# Altium PCB MDQARM - копия.PcbDoc (part 2 of 2)
Units mm, origin at the board's own origin, x right, y up, seen from the top; angles counter-clockwise.
Board outline 98 x 86.31 mm, 2 copper layers (Top Layer, Bottom Layer), stack 1.536 mm thick; 171 components, 109 nets, 544 pads, 183 vias.
Unrouted connection lines stored in the file: 113.
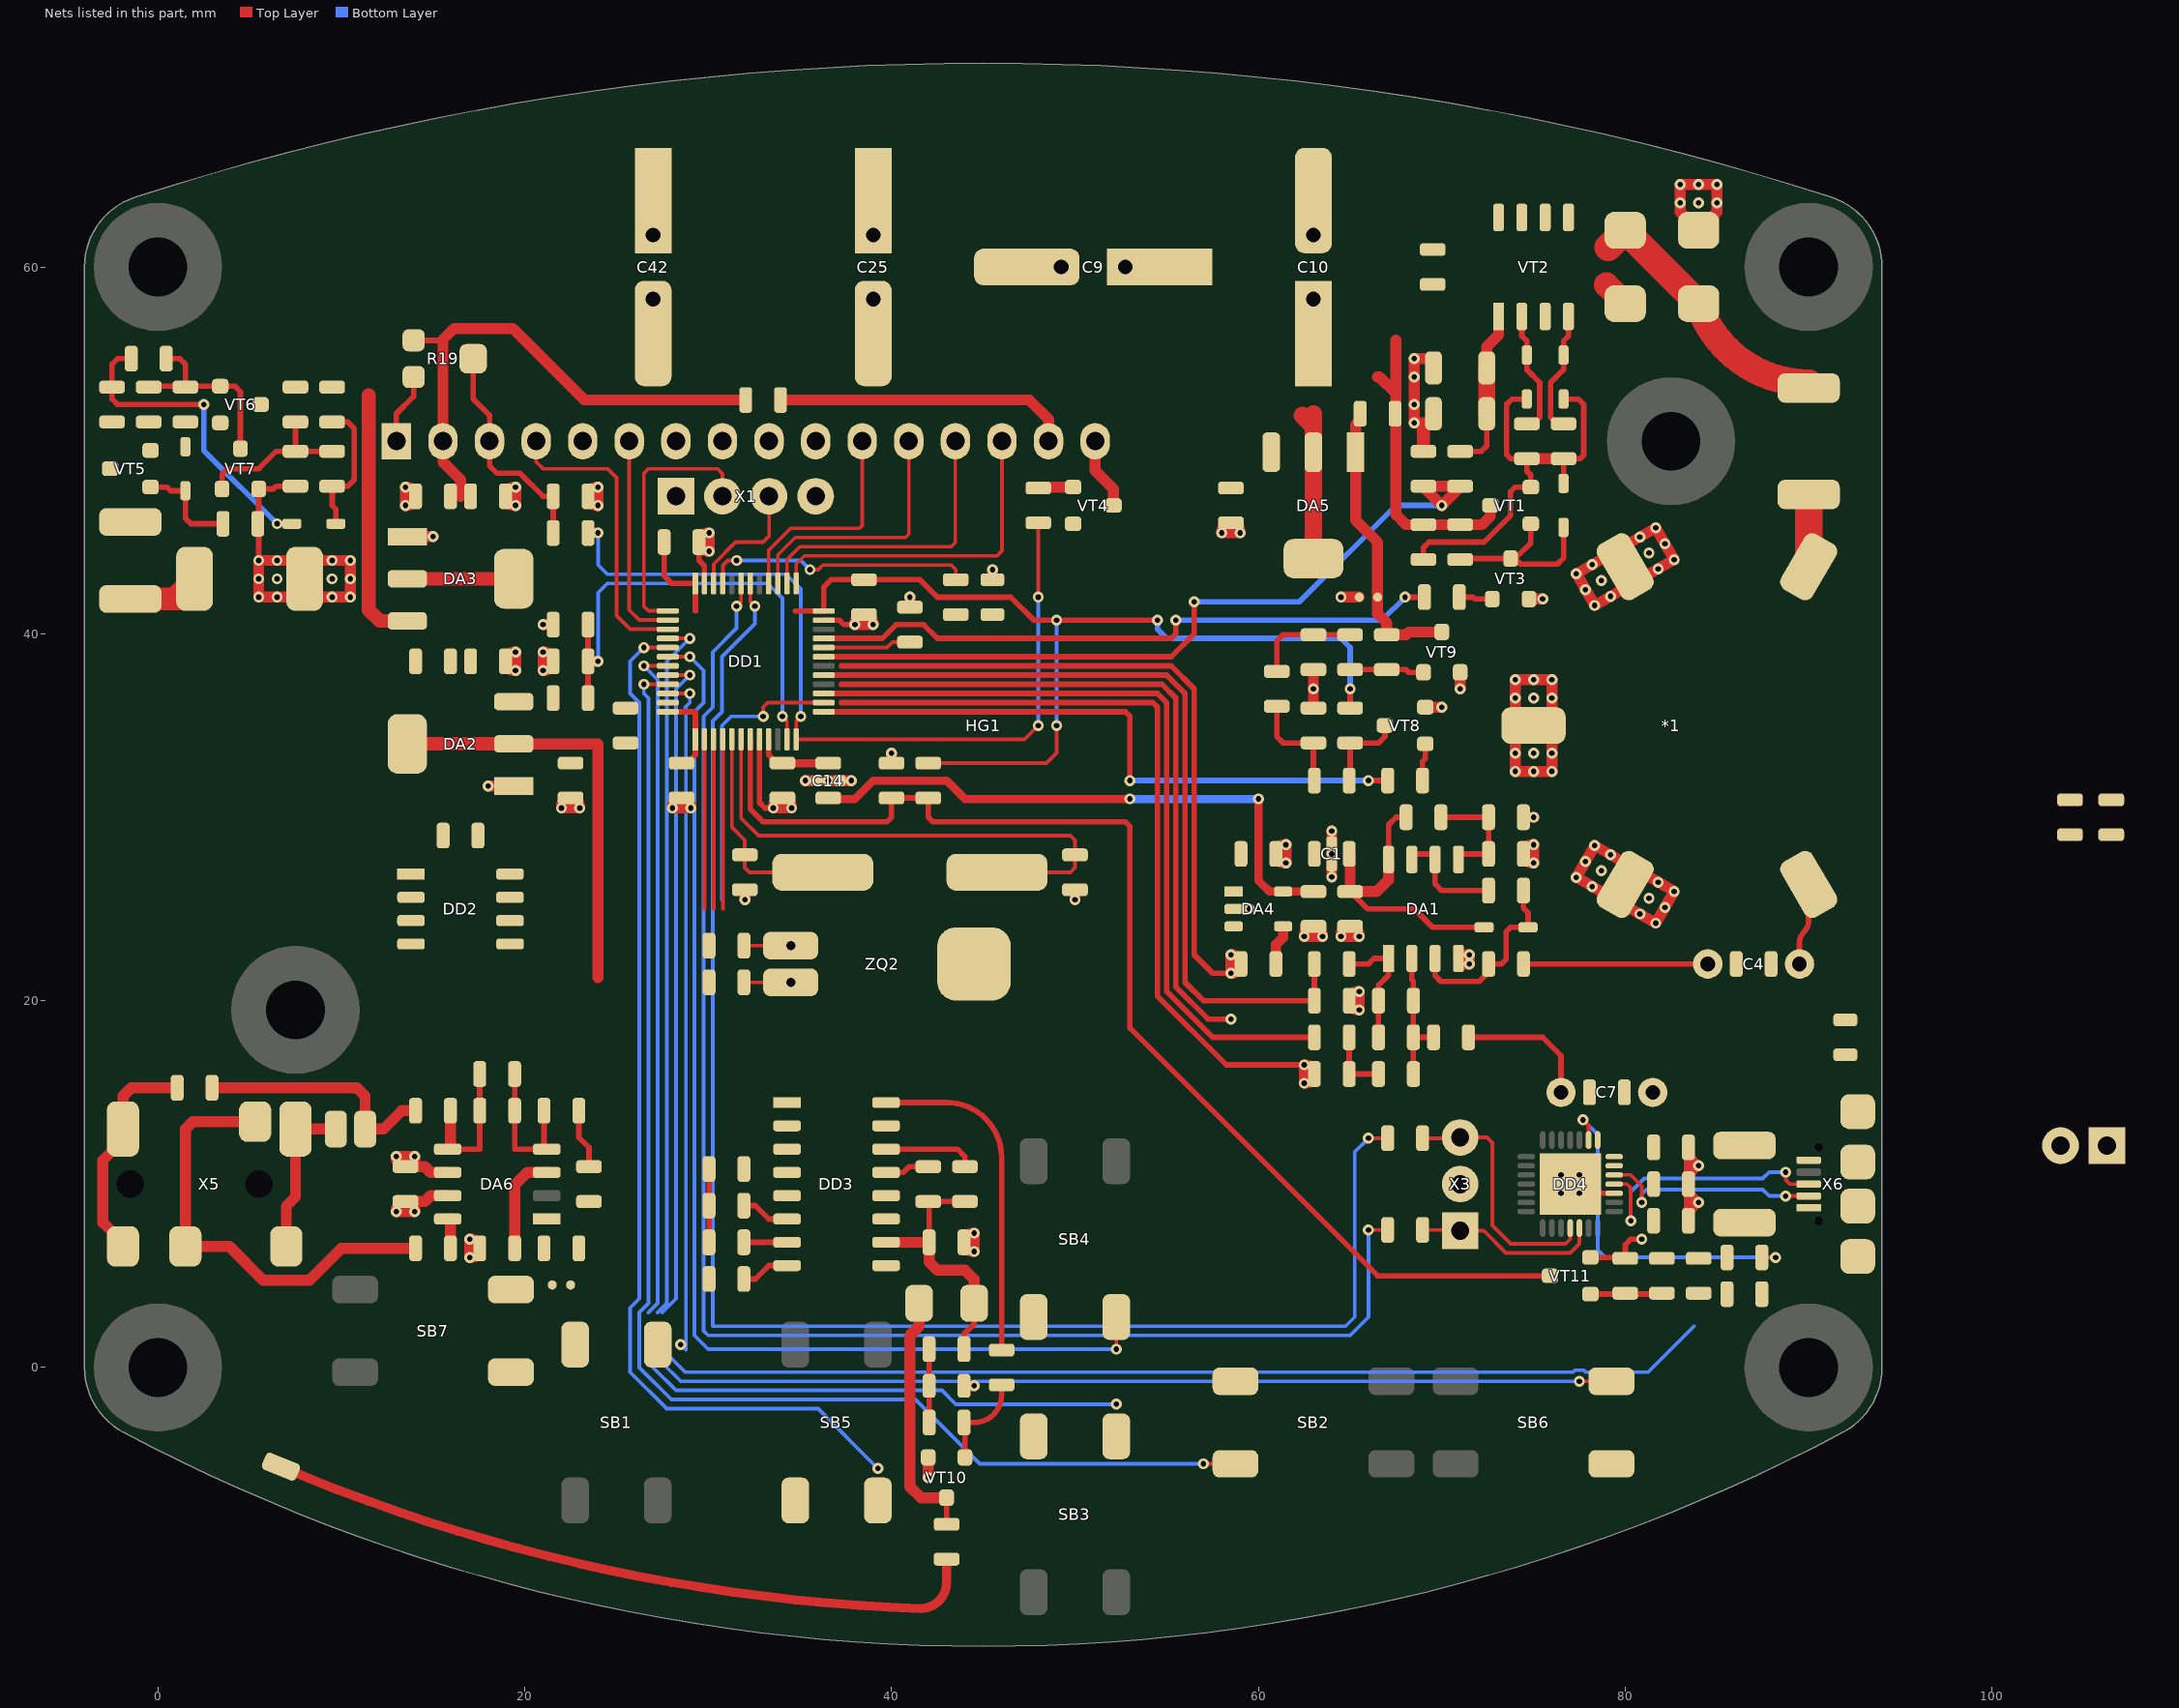
[diagram p2: the nets of this part, all layers, seen from the top]

## Via types
v1: diameter 0.6, hole 0.3, Top Layer to Bottom Layer, tented both sides, 183 vias

## Nets (pads, with @x,y where several pads share a name; then routed paths per layer and width w, separated by ;. In a path a pad name is that pad's centre, name@x,y a point inside that pad or via, vN(x,y) a via of type N, cw(c..) or ccw(c..) an arc to the next point about the centre after c; other vN are vias at no path point)
BOOT0: DD1.44 R28.1 R30.1 R57.1 | length 93.8
  Top Layer w0.2: DD1.44@27.8,37.75 v1(29,37.75)
  Bottom Layer w0.2: 27.5,3 28.25,3.75 28.25,37 v1(29,37.75) ; 28,0.5 28.75,-0.25 77.151,-0.25 77.251,-0.15 77.749,-0.15 77.849,-0.25 81.25,-0.25 83.75,2.25
BRIGHT: DD1.12 R21.1 R25.2 | length 46.8
  Top Layer w0.2: v1(35.05,35.5) 34.8,35.25 DD1.12@34.8,34.25 47.25,34.25 v1(48,35) ; v1(48,42) R25.2@48,46.05
  Top Layer w0.6: R21.1@23.45,45.5 v1(24,45.5)
  Bottom Layer w0.2: v1(24,45.5) 24,43.75 24.5,43.25 34.25,43.25 35.05,42.45 v1(35.05,35.5) ; v1(48,35) v1(48,42)
BTN0: DD1.46 SB1.2 | length 37.5
  Top Layer w0.2: DD1.46@27.8,36.75 v1(29,36.75)
  Bottom Layer w0.2: v1(28.5,1.25) 28.788,0.962 28.788,1.941 28.788,35.941 28.788,35.962 28.75,36 29,36.25 v1(29,36.75)
BTN1: DD1.45 SB2.3 | length 73.5
  Top Layer w0.2: v1(26.5,37.25) DD1.45@27.8,37.25 ; v1(57,-5.25) SB2.3@58.75,-5.25
  Bottom Layer w0.2: v1(26.5,37.25) 26.5,36.75 26.75,36.5 26.75,3.5 26.25,3 26.25,0 28,-1.75 41.3,-1.75 44.8,-5.25 v1(57,-5.25)
BTN2: DD1.43 SB3.2 | length 63.1
  Top Layer w0.2: v1(26.5,38.25) DD1.43@27.8,38.25
  Bottom Layer w0.2: v1(26.5,38.25) 27.25,37.5 27.25,3.5 26.75,3 ; 27,0 28.25,-1.25 42.75,-1.25 43.5,-2 v1(52.25,-2)
BTN3: DD1.42 SB4.3 | length 63.8
  Top Layer w0.2: DD1.42@27.8,38.75 v1(29,38.75) ; v1(52.25,1) SB4.3@52.25,2.75
  Bottom Layer w0.2: v1(29,38.75) 29.75,38 29.75,36.25 29.25,35.75 29.25,1.75 30,1 v1(52.25,1)
BTN4: DD1.41 SB5.3 | length 57.2
  Top Layer w0.2: v1(26.5,39.25) DD1.41@27.8,39.25
  Bottom Layer w0.2: v1(26.5,39.25) 25.75,38.5 25.75,36.75 26.25,36.25 26.25,3.75 25.75,3.25 25.75,-0.25 27.75,-2.25 36,-2.25 v1(39.25,-5.5)
BTN5: DD1.40 SB6.3 | length 90.8
  Top Layer w0.2: DD1.40@27.8,39.75 v1(29,39.75) ; v1(77.5,-0.75) SB6.3@79.25,-0.75
  Bottom Layer w0.2: 27.25,3 27.75,3.5 27.75,38.5 v1(29,39.75) ; 27.5,0.25 28.5,-0.75 v1(77.5,-0.75)
EE_SCL: DD1.3 DD2.6 DD3.14 R26.1 | length 14.3
  Top Layer w0.2: 30.3,25 DD1.3@30.3,34.25
  Top Layer w0.3: DD3.14@39.7,11.905 43.595,11.905 44,11.5 R26.1@44,10.95
EE_SDA: DD1.2 DD2.5 DD3.13 R27.1 | length 11.7
  Top Layer w0.2: 29.8,25 DD1.2@29.8,34.25
  Top Layer w0.3: DD3.13@39.7,10.635 40.635,10.635 40.95,10.95 R27.1@42,10.95
GND: *1.2 *1.3 *1.4 *2.2 C1.2 C2.1 C3.1 C5.1 C7.1 C8.1 C9.2 C10.2 C11.2 C12.1 C13.1 C14.2 C15.1 C16.1 C17.1 C18.1 C19.1 C20.1 C21.1 C22.1 C23.2 C24.1 C25.2 C29.1 C30.1 C31.1 C32.1 C33.1 C34.1 C35.1 C36.1 C37.1 C38.1 C39.1 C42.2 C43.1 C44.1 C49.1 C50.2 C51.2 C52.1 C53.1 C54.1 DA1.4 DA2.1 DA3.1 DA4.2 DA6.7 DD1.8 DD1.23 DD1.35 DD1.47 DD2.1 DD2.2 DD2.3 DD2.4 DD2.7 DD3.1 DD3.5 DD3.9 DD3.11 DD3.12 DD3.15 DD4.3 DD4.EP HG1.1 HG1.5 HG1.7 HG1.8 HG1.9 HG1.10 R2.1 R17.1 R18.1 R19.3 R20.2 R30.2 R36.1 R37.2 R39.1 R54.2 R60.1 SB1.3 SB2.2 SB3.3 SB4.2 SB5.2 SB6.2 SB7.2 SJ1.1 SJ2.2 VD6.1 VD7.2 VD10.2 VD11.2 VT3.2 VT4.2 VT7.2 VT8.2 VT9.2 VT10.2 VT11.2 X1.4 X3.2 X6.5 X6.EP ZQ2.3 | length 299.4
  Top Layer w0.3: v1(5.5,44) VT7.2@5.5,47.9 6.3,47.9 6.45,48.05 R37.2@7.5,48.05 ; HG1.1@13,50.5 13,52 13.94,52.94 R19.3@13.94,54 ; C21.1@29.5,45 29.5,44 29.8,43.7 DD1.35@29.8,42.75 ; DD1.8@32.8,34.25 32.8,30.8 33.1,30.5 v1(33.55,30.5) ; DD1.23@36.3,40.75 37.15,40.75 37.4,40.5 v1(38,40.5) ; 37.25,36.25 54.25,36.25 54.5,36 54.5,20.25 58.25,16.5 v1(62.5,16.5) ; 37.25,37.25 54.75,37.25 55.5,36.5 55.5,20.75 57.25,19 v1(58.5,19) ; 37.25,38.25 55.25,38.25 56.5,37 56.5,22.5 57.5,21.5 v1(58.5,21.5) ; DA4.2@58.65,25 v1(59.5,25) ; v1(77.5,9.5) DD4.3@79.4,9.5 ; VT11.2@78.1,6 R60.1@79.95,6 ; R60.1@80,5.95 80,6.7 80.3,7 v1(80.9,7)
  Top Layer w0.5: C53.1@83.45,8 C53.1@83.45,8.45 ; C52.1@83.45,12 C52.1@83.45,11.55 ; C53.1@83.45,8.45 C54.1@83.45,9.55 ; C53.1@83.45,8.45 v1(84,9) C54.1@83.45,9.55 ; C54.1@83.45,9.55 C54.1@83.45,10 C54.1@83.45,10.45 ; C54.1@83.45,10.45 C52.1@83.45,11.55 ; C54.1@83.45,10.45 v1(84,11) C52.1@83.45,11.55
  Top Layer w0.6: DA3.1@13.6,45.3 v1(15,45.3) ; DA6.7@15.8,9.365 14.865,9.365 14.55,9.05 C43.1@13.5,9.05 ; v1(18,31.7) DA2.1@19.4,31.7 ; v1(21,40.5) R39.1@21.55,40.5 ; v1(32,25.5) C17.1@32,26.05 ; v1(35.3,32) v1(36.55,32) v1(37.8,32) ; C23.2@40,32.95 v1(40,33.5) ; R20.2@41,41.45 v1(41,42) ; v1(42,-6) VT10.2@42,-4.9 ; VD10.2@43.95,-1 v1(44.5,-1) ; VD7.2@45.5,42.95 v1(45.5,43.5) ; v1(50,25.5) C18.1@50,26.05 ; C38.1@63,35.95 v1(63,37) C39.1@63,38.05 ; v1(64,26.75) C1.2@64,27.375 v1(64,28) C1.2@64,28.625 v1(64,29.25) ; v1(64.5,42) SJ1.1@65.5,42 ; VT8.2@69.1,36 v1(70,36) ; R18.1@69.55,51.5 v1(68.5,51.5) v1(68.5,52.5) v1(68.5,54) v1(68.5,55) R17.1@69.55,55 ; v1(71,37) VT9.2@71,37.9 ; R2.1@74.45,30 v1(75,30) ; VT3.2@74.75,41.9 v1(75.5,41.9) ; C43.1@13.5,9.05 ccw(c13.5,8.55) 13,8.55 v1(13,8.5) v1(14,8.5) 14,8.55 ccw(c13.5,8.55) C43.1@13.5,9.05 ; v1(5.5,42) v1(5.5,43) v1(5.5,44) v1(6.5,44) v1(9.5,44) v1(10.5,44) v1(10.5,43) v1(10.5,42) v1(9.5,42) v1(6.5,42) v1(5.5,42) ; v1(13.5,47) v1(13.5,48) 13.55,48 cw(c13.55,47.5) C32.1@14.05,47.5 cw(c13.55,47.5) 13.55,47 v1(13.5,47) ; v1(17,6) 17.05,6 ccw(c17.05,6.5) C44.1@17.55,6.5 ccw(c17.05,6.5) 17.05,7 v1(17,7) v1(17,6) ; C29.1@18.95,38.5 ccw(c19.45,38.5) 19.45,38 v1(19.5,38) v1(19.5,39) 19.45,39 ccw(c19.45,38.5) C29.1@18.95,38.5 ; C15.1@18.95,47.5 cw(c19.45,47.5) 19.45,48 v1(19.5,48) v1(19.5,47) 19.45,47 cw(c19.45,47.5) C15.1@18.95,47.5 ; v1(21,38) 21.05,38 ccw(c21.05,38.5) C36.1@21.55,38.5 ccw(c21.05,38.5) 21.05,39 v1(21,39) v1(21,38) ; v1(22,30.5) 22,30.55 cw(c22.5,30.55) C30.1@22.5,31.05 cw(c22.5,30.55) 23,30.55 v1(23,30.5) v1(22,30.5) ; C13.1@23.45,47.5 cw(c23.95,47.5) 23.95,48 v1(24,48) v1(24,47) 23.95,47 cw(c23.95,47.5) C13.1@23.45,47.5 ; v1(28.05,30.5) 28.05,30.55 cw(c28.55,30.55) C19.1@28.55,31.05 cw(c28.55,30.55) 29.05,30.55 v1(29.05,30.5) v1(28.05,30.5) ; C21.1@29.5,45 ccw(c30,45) 30,44.5 v1(30.05,44.5) v1(30.05,45.5) 30,45.5 ccw(c30,45) C21.1@29.5,45 ; v1(33.55,30.5) 33.55,30.55 cw(c34.05,30.55) C16.1@34.05,31.05 cw(c34.05,30.55) 34.55,30.55 v1(34.55,30.5) v1(33.55,30.5) ; v1(38,40.5) v1(39,40.5) 39,40.55 ccw(c38.5,40.55) C22.1@38.5,41.05 ccw(c38.5,40.55) 38,40.55 v1(38,40.5) ; C49.1@43.95,6.825 ccw(c44.45,6.825) 44.45,6.325 v1(44.5,6.325) v1(44.5,7.325) 44.45,7.325 ccw(c44.45,6.825) C49.1@43.95,6.825 ; v1(58,45.5) 58,45.55 cw(c58.5,45.55) C37.1@58.5,46.05 cw(c58.5,45.55) 59,45.55 v1(59,45.5) v1(58,45.5) ; v1(58.5,21.5) 58.55,21.5 ccw(c58.55,22) C34.1@59.05,22 ccw(c58.55,22) 58.55,22.5 v1(58.5,22.5) v1(58.5,21.5) ; C33.1@60.95,28 cw(c61.45,28) 61.45,28.5 v1(61.5,28.5) v1(61.5,27.5) 61.45,27.5 cw(c61.45,28) C33.1@60.95,28 ; v1(62.5,15.5) v1(62.5,16.5) 62.55,16.5 cw(c62.55,16) C8.1@63.05,16 cw(c62.55,16) 62.55,15.5 v1(62.5,15.5) ; v1(62.5,23.5) 62.5,23.55 cw(c63,23.55) C35.1@63,24.05 cw(c63,23.55) 63.5,23.55 v1(63.5,23.5) v1(62.5,23.5) ; v1(64.5,23.5) v1(65.5,23.5) 65.5,23.55 ccw(c65,23.55) C3.1@65,24.05 ccw(c65,23.55) 64.5,23.55 v1(64.5,23.5) ; C5.1@64.95,20 ccw(c65.45,20) 65.45,19.5 v1(65.5,19.5) v1(65.5,20.5) 65.45,20.5 ccw(c65.45,20) C5.1@64.95,20 ; DA1.4@70.905,22.3 71.205,22 v1(71.5,22) v1(71.5,22.5) 71.105,22.5 DA1.4@70.905,22.3 ; v1(74,32.5) v1(75,32.5) v1(76,32.5) v1(76,33.5) v1(76,36.5) v1(76,37.5) v1(75,37.5) v1(74,37.5) v1(74,36.5) v1(74,33.5) v1(74,32.5) ; C2.1@74.45,28 ccw(c74.95,28) 74.95,27.5 v1(75,27.5) v1(75,28.5) 74.95,28.5 ccw(c74.95,28) C2.1@74.45,28 ; v1(77.335,26.724) v1(77.835,27.59) v1(78.335,28.456) v1(79.201,27.956) 80.5,27.206 v1(81.799,26.456) v1(82.665,25.956) v1(82.165,25.09) v1(81.665,24.224) v1(80.799,24.724) 79.5,25.474 v1(78.201,26.224) v1(77.335,26.724) ; v1(77.335,43.276) v1(78.201,43.776) 79.5,44.526 v1(80.799,45.276) v1(81.665,45.776) v1(82.165,44.91) v1(82.665,44.044) v1(81.799,43.544) 80.5,42.794 v1(79.201,42.044) v1(78.335,41.544) v1(77.835,42.41) v1(77.335,43.276) ; 83,63 VD6.1@84,62 85,63 v1(85,63.5) v1(85,64.5) v1(84,64.5) v1(83,64.5) v1(83,63.5) 83,63
  Top Layer w0.7: C12.1@69,49.95 69,51.3
  other v1: 76.5,9.5 76.5,10.5 77.5,10.5 81.299,25.59 78.701,27.09 75,33.5 75,36.5 78.701,42.91 6.5,43 9.5,43 81.299,44.41 84,63.5
HLED: DD1.33 R31.1 | length 14.8
  Top Layer w0.2: DD1.33@30.8,42.75 30.8,43.734 31.066,44 v1(31.55,44) ; v1(35.55,43.5) 36,43.5 36.25,43.75 43.25,43.75 43.5,43.5 R31.1@43.5,42.95
  Bottom Layer w0.2: v1(31.55,44) 35.05,44 v1(35.55,43.5)
I_TX: C12.2 DD1.19 R16.2 | length 43
  Top Layer w0.3: DD1.19@36.3,38.75 55.25,38.75 56.5,40 v1(56.5,41.75)
  Top Layer w0.6: R16.2@71,48 v1(70,47) 69,48 C12.2@69,48.05 R16.2@71,48.05
  Bottom Layer w0.3: v1(56.5,41.75) 62.25,41.75 67.5,47 v1(70,47)
LCD_D4: DD1.28 HG1.11 | length 12.1
  Top Layer w0.2: DD1.28@33.3,42.75 33.3,44.55 34.5,45.75 38.25,45.75 38.4,45.9 HG1.11@38.4,50.5
LCD_D5: DD1.27 HG1.12 | length 14.2
  Top Layer w0.2: DD1.27@33.8,42.75 33.8,44.3 34.75,45.25 40.75,45.25 40.94,45.44 HG1.12@40.94,50.5
LCD_D6: DD1.26 HG1.13 | length 16.4
  Top Layer w0.2: DD1.26@34.3,42.75 34.3,44.05 35,44.75 43.25,44.75 43.48,44.98 HG1.13@43.48,50.5
LCD_D7: DD1.25 HG1.14 | length 18.5
  Top Layer w0.2: DD1.25@34.8,42.75 34.8,43.8 35.25,44.25 45.75,44.25 46.02,44.52 HG1.14@46.02,50.5
LCD_E: DD1.38 HG1.6 | length 11.5
  Top Layer w0.2: HG1.6@25.7,50.5 25.7,41.3 26.25,40.75 DD1.38@27.8,40.75
LCD_RS: DD1.39 HG1.4 | length 16.5
  Top Layer w0.2: HG1.4@20.62,50.5 20.62,49.38 21,49 24.5,49 25,48.5 25,41 25.75,40.25 DD1.39@27.8,40.25
Net*1_1: *1.1 C4.2 | length 4.5
  Top Layer w0.3: C4.2@89.5,22 89.5,23.146 cw(c90.354,23.146) 89.75,23.75 ccw(c89.146,24.354) 90,24.354 *1.1@90,26.34
Net*1_5: *1.5 R13.1 | length 3.9
  Top Layer w1.5: *1.5@90,43.66 R13.1@90,47.6
Net*2_1: *2.1 FU1.1 | length 5.1
  Top Layer w1.25: FU1.1@-1.5,41.9 0.9,41.9 ; *2.1@2,41.9 0.9,41.9 ; *2.1@2,43 0.9,41.9
NetC1_1: C1.1 C3.2 DA1.8 R1.2 VD1.2 | length 16.7
  Top Layer w0.3: C3.2@65,25.95 65.95,25 68.5,25 69.5,24 VD1.2@72.3,24 ; DA1.8@67.095,27.7 67.095,29.595 67.5,30 R1.2@68.05,30
  Top Layer w0.6: C3.2@64.95,26 cw(c64.95,25.95) C3.2@65,25.95 ; C1.1@65,28 C3.2@65,25.95 ; DA1.8@67.095,27.7 67.095,26.595 66.45,25.95 C3.2@65,25.95
NetC2_2: C2.2 DA1.5 R1.1 R2.2 | length 6.5
  Top Layer w0.3: R1.1@69.95,30 R2.2@72.55,30 C2.2@72.55,28 70.905,28 DA1.5@70.905,27.7
NetC4_1: C4.1 R4.1 | length 10.1
  Top Layer w0.3: R4.1@74.45,22 C4.1@84.5,22
NetC6_1: C6.1 DA1.2 R6.1 R7.1 R8.2 | length 7.4
  Top Layer w0.3: DA1.2@68.365,22.3 68.365,21.135 68.45,21.05 R6.1@68.45,20 C6.1@68.45,18 ; R8.2@68.45,16 C6.1@68.45,18 ; R7.1@69.55,18 C6.1@68.45,18
NetC6_2: C6.2 DA1.1 R5.1 R6.2 | length 6.8
  Top Layer w0.3: R5.1@64.95,22 66,22 66.3,22.3 DA1.1@67.095,22.3 67.095,21.395 66.55,20.85 R6.2@66.55,20 C6.2@66.55,18
NetC7_2: C7.2 R7.2 | length 7.5
  Top Layer w0.3: R7.2@71.45,18 75.5,18 76.5,17 C7.2@76.5,15
NetC8_2: C8.2 R8.1 R9.2 | length 3.6
  Top Layer w0.3: R9.2@64.95,18 C8.2@64.95,16 R8.1@66.55,16
NetC13_2: C13.2 HG1.3 R19.2 R21.2 | length 12.4
  Top Layer w0.3: R19.2@17.19,55 17.19,52.81 18.08,51.92 HG1.3@18.08,50.5 18.08,49.17 18.5,48.75 19.75,48.75 21,47.5 C13.2@21.55,47.5 R21.2@21.55,45.5
NetC14_1: C14.1 C16.2 DD1.9 | length 4.3
  Top Layer w0.3: DD1.9@33.3,34.25 33.3,33.4 33.75,32.95 C16.2@34.05,32.95
  Top Layer w0.45: C16.2@34.05,32.95 C14.1@36.55,32.95
NetC17_2: C17.2 DD1.5 ZQ1.1 | length 11.6
  Top Layer w0.2: DD1.5@31.3,34.25 31.3,29.45 32,28.75 32,27.25 32.25,27 ZQ1.1@36.25,27
NetC18_2: C18.2 DD1.6 ZQ1.2 | length 28.9
  Top Layer w0.2: DD1.6@31.8,34.25 31.8,29.95 32.75,29 49.75,29 50,28.75 C18.2@50,27.95 50,27.25 49.75,27 ZQ1.2@45.75,27
NetC26_1: C26.1 C28.2 R33.1 VT6.1 VT7.3 | length 10.5
  Top Layer w0.3: R33.1@-0.45,53.5 C26.1@1.5,53.5 ; C28.2@0.45,55 1.2,55 1.5,54.7 C26.1@1.5,53.5 ; VT7.3@4.5,50.1 4.5,53.2 4.2,53.5 VT6.1@3.4,53.5 C26.1@1.5,53.5
NetC26_2: C26.2 R32.2 R33.2 VD8.2 VT5.2 VT6.2
NetC27_1: C27.1 R35.1 R37.1 VT7.1 | length 8.9
  Top Layer w0.3: VT7.1@3.5,47.9 3.5,48.7 3.8,49 5.5,49 6.45,49.95 R37.1@7.5,49.95 ; C27.1@7.5,51.55 R37.1@7.5,49.95 ; R35.1@9.5,49.95 R37.1@7.5,49.95
NetC28_1: C28.1 R32.1 SB7.3 VD9.2 | length 17.2
  Top Layer w0.3: C28.1@-1.45,55 -2.2,55 -2.5,54.7 -2.5,52.8 -2.2,52.5 v1(2.5,52.5) ; v1(6.5,46) VD9.2@7.3,46
  Bottom Layer w0.3: v1(2.5,52.5) 2.5,50 v1(6.5,46)
NetC34_2: C34.2 DA4.4 | length 2.2
  Top Layer w0.55: C34.2@60.95,22 60.95,23.05 61.35,23.45 DA4.4@61.35,24.05
NetC38_2: C38.2 R42.2 R43.1 | length 5.3
  Top Layer w0.3: R43.1@61,36.05 61,34.4 61.35,34.05 C38.2@63,34.05 R42.2@63,32.5
NetC39_2: C39.2 R43.2 R44.1 | length 5.8
  Top Layer w0.3: R43.2@61,37.95 61,39.6 61.35,39.95 C39.2@63,39.95 R44.1@65,39.95
NetC40_1: C40.1 DA6.4 R47.2 R48.1 | length 7.9
  Top Layer w0.3: C40.1@19.45,16 R48.1@19.45,14 19.45,11.905 DA6.4@21.05,11.905 ; R47.2@21.05,14 DA6.4@21.05,11.905 ; DA6.4@21.2,11.905 DA6.4@21.05,11.905
NetC40_2: C40.2 DA6.5 R48.2 R51.1 | length 7.8
  Top Layer w0.3: DA6.5@15.95,11.905 17.55,11.905 R48.2@17.55,14 C40.2@17.55,16
  Top Layer w0.6: DA6.5@15.95,11.905 R51.1@15.95,14
NetC41_2: C41.2 R47.1 | length 3.3
  Top Layer w0.3: R47.1@22.95,14 22.95,12.55 23.5,12 C41.2@23.5,10.95
NetC44_2: C44.2 DA6.3 | length 5.5
  Top Layer w0.6: C44.2@19.45,6.5 19.45,9.95 20.135,10.635 DA6.3@21.2,10.635
NetC45_1: C45.1 L1.2 VT10.3 | length 13.9
  Top Layer w0.3: C45.1@43,-8.55 VT10.3@43,-7.1
  Top Layer w0.6: L1.2@41.5,3.5 41.5,2.25 41,1.75 41,-6.5 41.6,-7.1 VT10.3@43,-7.1
NetC45_2: C45.2 WA1.1 | length 39.4
  Top Layer w0.5: WA1.1@6.708,-5.409 ccw(c45,84.8) 41.58,-13.14 ccw(c41.58,-11.72) 43,-11.72 C45.2@43,-10.45
NetC46_2: C46.2 DD3.6 | length 2.7
  Top Layer w0.3: C46.2@31.95,8.825 32.575,8.825 33.305,8.095 DD3.6@34.3,8.095
NetC47_1: C47.1 DD3.16 | length 18.5
  Top Layer w0.3: DD3.16@39.7,14.445 43.003,14.445 cw(c43.003,11.448) 46,11.448 C47.1@46,0.95
NetC47_2: C47.2 R55.1 VT10.1 | length 5.3
  Top Layer w0.3: R55.1@43.95,-3 44.501,-3 ccw(c44.501,-1.501) 46,-1.501 C47.2@46,-0.95 ; VT10.1@44,-4.9 R55.1@44,-3.05
NetC48_2: C48.2 DD3.7 | length 2.4
  Top Layer w0.3: C48.2@31.95,6.825 DD3.7@34.3,6.825
NetC50_1: C50.1 DD3.3 ZQ2.1 | length 2.5
  Top Layer w0.2: C50.1@31.95,23 ZQ2.1@34.5,23
NetC51_1: C51.1 DD3.2 ZQ2.2 | length 2.5
  Top Layer w0.2: C51.1@31.95,21 ZQ2.2@34.5,21
NetC52_2: C52.2 DD4.7 DD4.8 FU2.2
NetC55_1: C55.1 R60.2 VT11.1 | length 3.8
  Top Layer w0.3: VT11.1@78.1,4 C55.1@81.95,4
NetDA1_3: DA1.3 R3.1 R4.2 VD1.1 | length 10.6
  Top Layer w0.3: DA1.3@69.635,22.3 69.635,21.365 69.95,21.05 72.05,21.05 72.55,21.55 R4.2@72.55,22 73.25,22 73.5,22.25 73.5,23.75 73.75,24 VD1.1@74.7,24 74.7,24.8 74.45,25.05 R3.1@74.45,26
NetDA1_6: DA1.6 DA1.7 R3.2 | length 6.3
  Top Layer w0.3: DA1.7@68.365,27.7 68.365,28 69.635,28 DA1.6@69.635,27.7 69.635,26.365 70,26 R3.2@72.55,26
NetDA5_1: DA5.1 R40.2 R45.2 SJ1.2 VT9.3 | length 15.9
  Top Layer w0.6: R40.2@65.55,52 65.55,51.65 65.3,51.4 DA5.1@65.3,49.9 65.3,46.2 66.5,45 SJ1.2@66.5,42 66.5,41.1 67,40.6 R45.2@67,39.95 68.05,39.95 68.2,40.1 VT9.3@70,40.1
NetDA6_1: DA6.1 R50.2 SJ2.1
NetDA6_8: DA6.8 R52.1 | length 1.6
  Top Layer w0.6: R52.1@15.95,6.5 DA6.8@15.95,8.095
NetDD1_20: DD1.20 R20.1 | length 4.8
  Top Layer w0.2: DD1.20@36.3,39.25 39.75,39.25 40.05,39.55 R20.1@41,39.55
NetDD1_30: DD1.30 R22.2 | length 87.9
  Top Layer w0.2: DD1.30@32.3,42.75 32.3,41.75 v1(32.55,41.5) ; v1(66,12.5) R22.2@67.05,12.5
  Bottom Layer w0.2: v1(32.55,41.5) 32.55,40.55 30.75,38.75 30.75,35.75 30.25,35.25 30.25,2.25 64.75,2.25 65.25,2.75 65.25,11.75 v1(66,12.5)
NetDD1_31: DD1.31 R23.2 | length 84.2
  Top Layer w0.2: v1(31.55,41.5) 31.8,41.75 DD1.31@31.8,42.75 ; v1(66,7.5) R23.2@67.05,7.5
  Bottom Layer w0.2: v1(31.55,41.5) 31.55,40.3 30.25,39 30.25,36 29.75,35.5 29.75,2 30,1.75 65,1.75 66,2.75 v1(66,7.5)
NetDD3_8: DD3.8 R56.2 | length 2.7
  Top Layer w0.3: R56.2@31.95,4.825 32.575,4.825 33.305,5.555 DD3.8@34.3,5.555
NetDD4_4: DD4.4 X6.3 | length 15
  Top Layer w0.2: DD4.4@79.4,10 80.1,10 80.3,9.8 v1(80.3,8) ; v1(88.75,10.65) 88.75,10.225 88.975,10 X6.3@90,10
  Bottom Layer w0.2: v1(80.3,8) 80.3,9.575 81.025,10.3 87.5,10.3 87.85,10.65 v1(88.75,10.65)
NetDD4_5: DD4.5 X6.2 | length 12.4
  Top Layer w0.2: DD4.5@79.4,10.5 80.3,10.5 80.9,9.9 v1(80.9,9) ; v1(88.75,9.35) X6.2@90,9.35
  Bottom Layer w0.2: v1(80.9,9) 80.9,9.45 81.15,9.7 87.5,9.7 87.85,9.35 v1(88.75,9.35)
NetDD4_9: DD4.9 R58.1 | length 19.3
  Top Layer w0.2: v1(77.7,13.5) 78,13.2 DD4.9@78,12.4 ; R58.1@87.45,6 v1(88.2,6)
  Bottom Layer w0.2: v1(77.7,13.5) 78.5,12.7 78.5,6.4 78.9,6 v1(88.2,6)
NetFU1_2: FU1.2 VT5.3
NetFU2_1: FU2.1 X6.1
NetHG1_15: HG1.15 R24.1 | length 16.2
  Top Layer w0.6: R24.1@33.95,52.75 47.5,52.75 48.56,51.69 HG1.15@48.56,50.5
NetHG1_16: HG1.16 VT4.3 | length 3.9
  Top Layer w0.6: HG1.16@51.1,50.5 51.1,48.9 52.1,47.9 VT4.3@52.1,47
NetR10_1: R10.1 R12.2 R14.2 VD2.1 VD3.1 VD5.1 VT1.2 | length 23.9
  Top Layer w0.3: R10.1@69,44.05 69,44.7 69.3,45 72.3,45 73.75,46.45 73.75,47.75 74,48 VT1.2@74.85,48 74.85,48.65 74.635,48.865 R14.2@74.635,49.55 73.75,49.55 73.535,49.765 73.535,52.5 73.835,52.8 VD5.1@74.635,52.8 ; VD3.1@76.635,48.2 R12.2@76.635,49.55 77.55,49.55 77.735,49.735 77.735,52.5 77.435,52.8 VD2.1@76.635,52.8
  Top Layer w0.6: R14.2@74.635,49.55 R12.2@76.635,49.55
NetR11_1: R11.1 VD3.2 VT1.1 VT3.3 | length 9.8
  Top Layer w0.3: R11.1@71.05,44.1 VT3.3@73.75,44.1 VT3.3@74,44.1 ; VT1.1@74.85,46 74.85,44.95 VT3.3@74,44.1 ; VD3.2@76.635,45.8 76.635,44.135 76.3,43.8 74.3,43.8 VT3.3@74,44.1
NetR12_1: R12.1 VD2.2 VT2.G2 | length 6.7
  Top Layer w0.3: R12.1@76.635,51.45 76.285,51.45 75.935,51.8 75.935,53.7 76.635,54.4 VD2.2@76.635,55.2 76.635,55.965 76.905,56.235 VT2.G2@76.905,57.3
NetR13_2: R13.2 VD4.1 VD6.2 VT2.D1 VT2.D2 | length 14.9
  Top Layer w1.5: 79.062,61.062 VD4.1@80,62 VD6.2@84,58 ccw(c90,60) R13.2@90,53.675
NetR14_1: R14.1 VD5.2 VT2.G1 | length 6.7
  Top Layer w0.3: VT2.G1@74.365,57.3 74.365,56.235 74.635,55.965 VD5.2@74.635,55.2 74.635,54.4 75.335,53.7 75.335,51.8 74.985,51.45 R14.1@74.635,51.45
NetR15_1: R15.1 VT3.1 | length 1.8
  Top Layer w0.3: R15.1@70.95,42 71.7,42 71.8,41.9 VT3.1@72.75,41.9
NetR16_1: R16.1 R17.2 R18.2 VT2.S1 | length 8.9
  Top Layer w0.3: R16.1@71,49.95 72.15,49.95 72.45,50.25 R18.2@72.45,52
  Top Layer w0.6: R17.2@72.45,54.5 72.45,55.65 73.095,56.295 VT2.S1@73.095,57.3
  Top Layer w0.9: R18.2@72.45,52 R17.2@72.45,54.5
NetR25_1: R25.1 VT4.1 | length 1.8
  Top Layer w0.6: R25.1@48.05,48 VT4.1@49.9,48
NetR28_2: R28.2 X2.2
NetR31_2: R31.2 VD7.1
NetR34_1: R34.1 R35.2 VD9.1 | length 7.6
  Top Layer w0.3: R34.1@9.5,51.55 10.35,51.55 10.7,51.2 10.7,48.4 10.35,48.05 R35.2@9.5,48.05 9.5,47 9.7,46.8 VD9.1@9.7,46
NetR36_2: R36.2 VD8.1 VT5.1 | length 5.7
  Top Layer w0.3: VT5.1@-0.4,48 0.5,48 0.7,47.8 VD8.1@1.5,47.8 1.5,46.3 1.8,46 R36.2@3.55,46
NetR41_2: R41.2 R42.1 VT8.3 | length 4.2
  Top Layer w0.3: R42.1@65,32.5 R41.2@65,34.05 66.55,34.05 66.9,34.4 VT8.3@66.9,35
NetR44_2: R44.2 R45.1 VT9.1 | length 4.1
  Top Layer w0.3: R44.2@65,38.05 R45.1@67,38.05 68.05,38.05 68.2,37.9 VT9.1@69,37.9
NetR46_2: R46.2 VT8.1 | length 2.1
  Top Layer w0.3: R46.2@68.95,32 68.95,33.05 69.1,33.2 VT8.1@69.1,34
NetR49_1: R49.1 X5.1 X5.2 | length 12.2
  Top Layer w0.6: X5.1@-1.9,6.6 -1.9,6.8 -3,7.9 -3,11.3 -1.9,12.4 X5.2@-1.9,13 -1.9,14.8 -1.45,15.25 R49.1@1.05,15.25
NetR49_2: R49.2 R51.2 X4.2 | length 13.5
  Top Layer w0.6: R49.2@2.95,15.25 10.85,15.25 11.3,14.8 X4.2@11.3,13 12.3,13 13.3,14 R51.2@14.05,14
NetR52_2: R52.2 X5.3 X5.4 | length 24.4
  Top Layer w0.6: X5.4@5.3,13.4 1.9,13.4 1.5,13 X5.3@1.5,6.6 3.9,6.6 5.75,4.75 8.25,4.75 10,6.5 R52.2@14.05,6.5
NetR53_2: R53.2 R55.2 VD10.1 | length 4
  Top Layer w0.3: R55.2@42.05,-3 VD10.1@42.05,-1 R53.2@42.05,1
NetR59_2: R59.2 VD11.1
NetX4_1: X4.1 X5.5 X5.6 | length 8.8
  Top Layer w0.6: X5.6@7,6.6 7,8.8 7.5,9.3 X5.5@7.5,13 X4.1@9.7,13
NRST: C23.1 DD1.7 R29.1 VT11.3 | length 66.7
  Top Layer w0.3: DD1.7@32.3,34.25 32.3,30.45 33,29.75 39.75,29.75 40,30 C23.1@40,31.05 R29.1@42,31.05 42,30 42.25,29.75 52.75,29.75 53,29.5 53,18.5 66.5,5 VT11.3@75.9,5
PWM: DD1.13 R46.1 | length 34.4
  Top Layer w0.3: DD1.13@36.3,35.75 52.75,35.75 53,35.5 v1(53,32) ; v1(66,32) R46.1@67.05,32
  Bottom Layer w0.3: v1(53,32) v1(66,32)
RS_RX: DD4.26 R23.1 X3.1 | length 10.3
  Top Layer w0.2: R23.1@68.95,7.5 X3.1@71.21,7.5 ; X3.1@71,7.46 72.29,7.46 73.5,6.25 77,6.25 77.5,6.75 DD4.26@77.5,7.6
RS_TX: DD4.25 R22.1 R59.1 X3.3 | length 12.7
  Top Layer w0.2: R22.1@68.95,12.5 X3.3@70.96,12.5 ; 72,12.54 72.46,12.54 72.75,12.25 72.75,7.75 73.75,6.75 76.75,6.75 77,7 DD4.25@77,7.6
SIN_C: DD1.15 R9.1 | length 43.7
  Top Layer w0.3: DD1.15@36.3,36.75 54.5,36.75 55,36.25 55,20.5 57.5,18 R9.1@63.05,18
SOUND: C41.1 C46.1 C48.1 DD1.14 R54.1 | length 19.9
  Top Layer w0.2: C41.1@23.5,9.05 C41.1@23.55,9 ; v1(33,35.5) 33,36 33.25,36.25 DD1.14@36.3,36.25
  Top Layer w0.3: C48.1@30.05,6.825 C46.1@30.05,8.825 R54.1@30.05,10.825
  Bottom Layer w0.2: 30.75,25.5 30.75,35 31.25,35.5 v1(33,35.5)
SW: DD1.4 R50.1 R56.1 | length 9.2
  Top Layer w0.2: 30.8,25 DD1.4@30.8,34.25
SWCLK: DD1.37 X1.2 | length 14.4
  Top Layer w0.2: DD1.37@27.8,41.25 26.75,41.25 26.5,41.5 26.5,48.75 26.75,49 30.5,49 30.78,48.72 X1.2@30.78,47.5
SWDIO: DD1.34 X1.3 | length 6.9
  Top Layer w0.2: DD1.34@30.3,42.75 30.3,43.8 31.5,45 33,45 33.32,45.32 X1.3@33.32,47.5
TX: DD1.21 R15.2 | length 34.7
  Top Layer w0.3: DD1.21@36.3,39.75 39.5,39.75 40.25,40.5 41.75,40.5 42.5,39.75 55.25,39.75 55.5,40 v1(55.5,40.75) ; v1(68,42) R15.2@69.05,42
  Bottom Layer w0.3: v1(55.5,40.75) 66.75,40.75 v1(68,42)
U_RX: C5.2 DD1.17 R5.2 | length 45.3
  Top Layer w0.3: DD1.17@36.3,37.75 55,37.75 56,36.75 56,21 57,20 C5.2@63.05,20 R5.2@63.05,22
UP_CTR: C36.2 DD1.11 R38.1 R39.2 | length 26.7
  Top Layer w0.2: v1(34.05,35.5) 34.3,35.25 DD1.11@34.3,34.25
  Top Layer w0.3: R38.1@23.45,36.5 C36.2@23.45,38.5 R39.2@23.45,40.5
  Top Layer w0.6: C36.2@23.45,38.5 v1(24,38.5)
  Bottom Layer w0.2: v1(24,38.5) 24,42.25 24.5,42.75 33.25,42.75 34.05,41.95 v1(34.05,35.5)
USB_3V3: C53.2 C54.2 C55.2 DD4.6 R57.2 R58.2 | length 0.3
  Top Layer w0.3: C54.2@81.55,10 C54.2@81.55,10.337
V_BAT: C25.1 C27.2 C29.2 C31.2 C33.2 C37.2 C42.1 C43.2 DA2.3 DA3.3 DA4.1 DA4.3 DA5.3 DA6.6 R34.2 R38.2 VT6.3 | length 19.1
  Top Layer w0.6: DA6.6@15.8,10.635 14.865,10.635 14.55,10.95 C43.2@13.5,10.95 ; C43.2@13.5,10.95 cw(c13.5,11.45) 13,11.45 v1(13,11.5) v1(14,11.5) 14,11.45 cw(c13.5,11.45) C43.2@13.5,10.95
  Top Layer w0.75: 11.5,53 11.5,41.3 12.1,40.7 DA3.3@13.6,40.7
VDD: C19.2 C20.2 C21.2 C22.2 C24.2 C30.2 C49.2 DA2.2 DA2.4 DD1.1 DD1.24 DD1.36 DD1.48 DD2.8 DD3.4 DD3.10 L1.1 R26.2 R27.2 R29.2 R41.1 R53.1 X1.1 X2.1 | length 98.9
  Top Layer w0.2: R29.2@42,32.95 48.45,32.95 49,33.5 v1(49,35)
  Top Layer w0.3: C21.2@27.6,45 27.6,43.15 28,42.75 DD1.36@29.3,42.75 29.3,41.25 ; DD1.48@27.8,35.75 29.3,35.75 DD1.1@29.3,34.25 29.3,33.4 28.85,32.95 C19.2@28.55,32.95 ; 34.75,41.25 DD1.24@36.3,41.25 36.3,42.55 36.7,42.95 C22.2@38.5,42.95 41.55,42.95 42.5,42 46.5,42 47.75,40.75 v1(49,40.75) v1(54.5,40.75) ; C49.2@42.05,6.825 42.05,9.05 R26.2@44,9.05 ; R53.1@43.95,1 43.95,1.825 44.5,2.375 L1.1@44.5,3.5 ; R41.1@65,35.95 v1(65,37)
  Top Layer w0.6: DA2.2@19.4,34 24,34 24,21.25 ; DD3.10@39.7,6.825 C49.2@42.05,6.825 42.05,5.75 42.5,5.3 44,5.3 44.5,4.8 L1.1@44.5,3.5
  Top Layer w0.75: DA2.4@13.6,34 DA2.2@19.4,34
  Bottom Layer w0.2: v1(49,35) v1(49,40.75)
  Bottom Layer w0.3: v1(54.5,40.75) 54.5,40.25 55,39.75 64.5,39.75 65,39.25 v1(65,37)
VDD_COIL: C9.1 C10.1 C11.1 DA5.2 DA5.4 R10.2 R11.2 R40.1 VD4.2 VT1.3 VT2.S2 | length 27.2
  Top Layer w0.6: 66.5,54 66.6,54 67.5,53.1 ; 67.5,56 67.5,53.1 ; VT1.3@72.65,47 72.65,46.4 72.2,45.95 R11.2@71,45.95 R10.2@69,45.95 68.05,45.95 67.5,46.5 67.5,53.1
  Top Layer w0.95: 62.4,51.9 63,51.3 ; DA5.4@63,44.1 DA5.2@63,49.9 63,51.3 ; 63,52 63,51.3
  Top Layer w1.35: 78.975,59.025 VD4.2@80,58
VDD_D: C15.2 C32.2 DA3.2 DA3.4 HG1.2 R19.1 R24.2 | length 34.7
  Top Layer w0.3: R19.1@13.94,56 15.5,56 15.54,56.04
  Top Layer w0.6: 16.5,47.5 16.5,48.4 15.54,49.36 HG1.2@15.54,50.5 15.54,56.04 16.15,56.65 19.35,56.65 23.25,52.75 R24.2@32.05,52.75
  Top Layer w0.75: DA3.2@13.6,43 15.95,43 DA3.4@19.4,43
VDDA: C1.3 C14.3 C35.2 DA4.5 | length 32
  Top Layer w0.45: C14.3@36.5,31 38,31 39,32 43,32 44,31 v1(53,31) ; v1(60,31) 60,26.55 60.6,25.95 C35.2@63,25.95
  Bottom Layer w0.45: v1(53,31) v1(60,31)
pads on no net: DA6.2 DD1.10 DD1.16 DD1.18 DD1.22 DD1.29 DD1.32 DD4.1 DD4.2 DD4.10 DD4.11 DD4.12 DD4.13 DD4.14 DD4.15 DD4.16 DD4.17 DD4.18 DD4.19 DD4.20 DD4.21 DD4.22 DD4.23 DD4.24 DD4.27 DD4.28 HG1.MH SB1.1 SB1.4 SB2.1 SB2.4 SB3.1 SB3.4 SB4.1 SB4.4 SB5.1 SB5.4 SB6.1 SB6.4 SB7.1 SB7.4 X5.MH X6.4 X6.MH
copper on no net: | length 2.7
  Top Layer w0.6: v1(13.5,38) v1(13.5,39) 13.55,39 cw(c13.55,38.5) 14.05,38.5 cw(c13.55,38.5) 13.55,38 v1(13.5,38)

## Polygon pours and split planes (outlines as drawn)
VDD on Top Layer "Dir_Poly" (solid, pour order 6): 28.8,41.5 29.05,41.75 35.05,41.75 35.3,41.5 35.3,35.5 35.05,35.25 29.05,35.25 28.8,35.5
USB_3V3 on Top Layer "Dir_Poly" (solid, pour order 2): 79.4,11.15 79.4,10.85 80.55,10.85 81.3,10.1 81.3,7.6 81.7,7.2 81.7,5.8 85.5,5.8 85.5,6.2 82.3,6.2 82.3,7.4 81.8,7.9 81.8,10.4 81.05,11.15
GND on Bottom Layer "GND" (solid, remove dead copper, shelved, pour order 4): -4,71.25 94,71.25 94,-15.25 -4,-15.25

## Keep-outs
Keep-Out Layer:
  the board outline again, w0.2

## Other copper
Top Layer:
  rectangle net VDD_D: 15.95,43 17.05,48
  rectangle net GND: 68.5,51.5 69.55,55
  region net GND: 81.665,24.224 82.665,25.956 78.335,28.456 77.335,26.724
  region net GND: 77.335,43.276 78.335,41.544 82.665,44.044 81.665,45.776
  rectangle net GND: 74,32.5 76,37.5
  rectangle net GND: 5.5,42 10.5,44
  region net NetR13_2: 88.5,54.5 91,54.5 91.5,54 91.5,53 88.5,53
  region net V_BAT: 13.6,40.3 15.2,40.3 15.7,39.8 15.7,36.9 16.7,35.9 19.4,35.9 19.4,36.7 17.8,36.7 17.3,37.2 17.3,40.1 16.3,41.1 13.6,41.1
  region net V_BAT: 40,63.2 40.9,63.2 42.2,61.9 42.2,57.4 44.6,55 51.1,55 57.3,48.8 57.3,45.2 59,43.5 59,25.775 58,25.775 57.8,25.575 57.8,24.425 58,24.225 58.65,24.225 58.65,23.875 57.9,23.875 57.5,24.275 57.5,43 55.8,44.7 55.8,48.2 50.5,53.5 43.8,53.5 40.7,56.6 40.7,60.6 40.5,60.8 40,60.8
  region net V_BAT: 40,66.5 41.5,66.5 44,64 44,58.5 45.2,57.3 51.6,57.3 58.2,50.7 60.7,50.7 60.7,49.1 59.7,49.1 59.1,48.5 59.1,48 58,48 58,48.5 51.2,55.3 44.7,55.3 42.5,57.5 42.5,62 41,63.5 40,63.5
  region net I_TX: 70.8,48.05 70,47.25 69.2,48.05
  region net VDD_COIL: 51.8,59 54.5,59 54.5,58.8 60.1,53.2 62.975,53.2 63.475,52.7 63.475,51.5 57.8,51.5 51.8,57.5
  region net VDD_COIL: 78,59.7
  region net VDD_COIL: 70.2,59.625
  region net NetR13_2: 72.8,62.7 73.395,62.7 73.395,61.8 73.595,61.6 73.865,61.6 74.065,61.8 74.065,62.7 74.665,62.7 74.665,61.8 74.865,61.6 75.135,61.6 75.335,61.8 75.335,62.7 75.935,62.7 75.935,61.8 76.135,61.6 76.405,61.6 76.605,61.8 76.605,62.7 77.2,62.7 77.2,61.8 77.4,61.6 80.9,61.6 80.9,60.3 76,60.3 73.3,60.3 72.8,60.8
  region net VDD_COIL: 51.8,61 51.8,59 54.7,59 60.2,53.5 67.5,53.5 67.5,55.2 68.3,56 70.2,56 72.7,58.5 74.835,58.5 75.335,58 75.335,57.3 75.935,57.3 75.935,58 76.435,58.5 78.975,58.5 78.975,59.7 64.7,59.7 64.2,59.2 61.8,59.2 60,61
  region net GND: 83,64.5 85,64.5 85,63 84,62 83,63
  region: 90,53.4
  region net V_BAT: 5.3,52.2 6.2,52.2 6.9,52.9 12.5,52.9 12.5,60.8 40,60.8 40,66.5 10,66.5 10,55.3 7.5,55.3 5.3,53.1
  region net NetFU2_1: 86.5,7.5 86.5,8.3 88.3,8.3 88.9,8.9 90,8.9 90,8.5 89.3,8.5 88.3,7.5
  region net NetC52_2: 78.4,13.3 78.8,13.7 87.4,13.7 87.8,13.3 87.8,11.8 85.3,11.8 85.3,13 85.1,13.2 81.9,13.2 81.7,13 81.7,11.4 79.1,11.4 79.1,11.9 78.9,12.1 78.4,12.1
  region net NetFU1_2: -2.9,49.2 -2.9,46.1 -1.1,46.1 -1.1,46.8 -1.5,47.2 -1.5,48.6 -2.1,49.2
  region net NetC26_2: -2.5,51.8 3.6,51.8 3.6,51 2.4,49.8 1.6,49.8 -0.7,49.8 -0.7,50.9 -1.1,51.3 -2.5,51.3
  text "BOOT0" at 100,36.5 h1.52
  text "NRST" at 99,22 h1.52

## Silkscreen, mask and mechanical layers (free items; w line width, h text height)
Mechanical 15:
  the board outline again, w0.2